# Altium PCB PCB1.PcbDoc (part 9 of 15)
Units mm, origin at the board's own origin, x right, y up, seen from the top; angles counter-clockwise.
Board outline 77.21 x 58.7 mm, 2 copper layers (Top Layer, Bottom Layer); 194 components, 134 nets, 25878 pads, 596 vias.
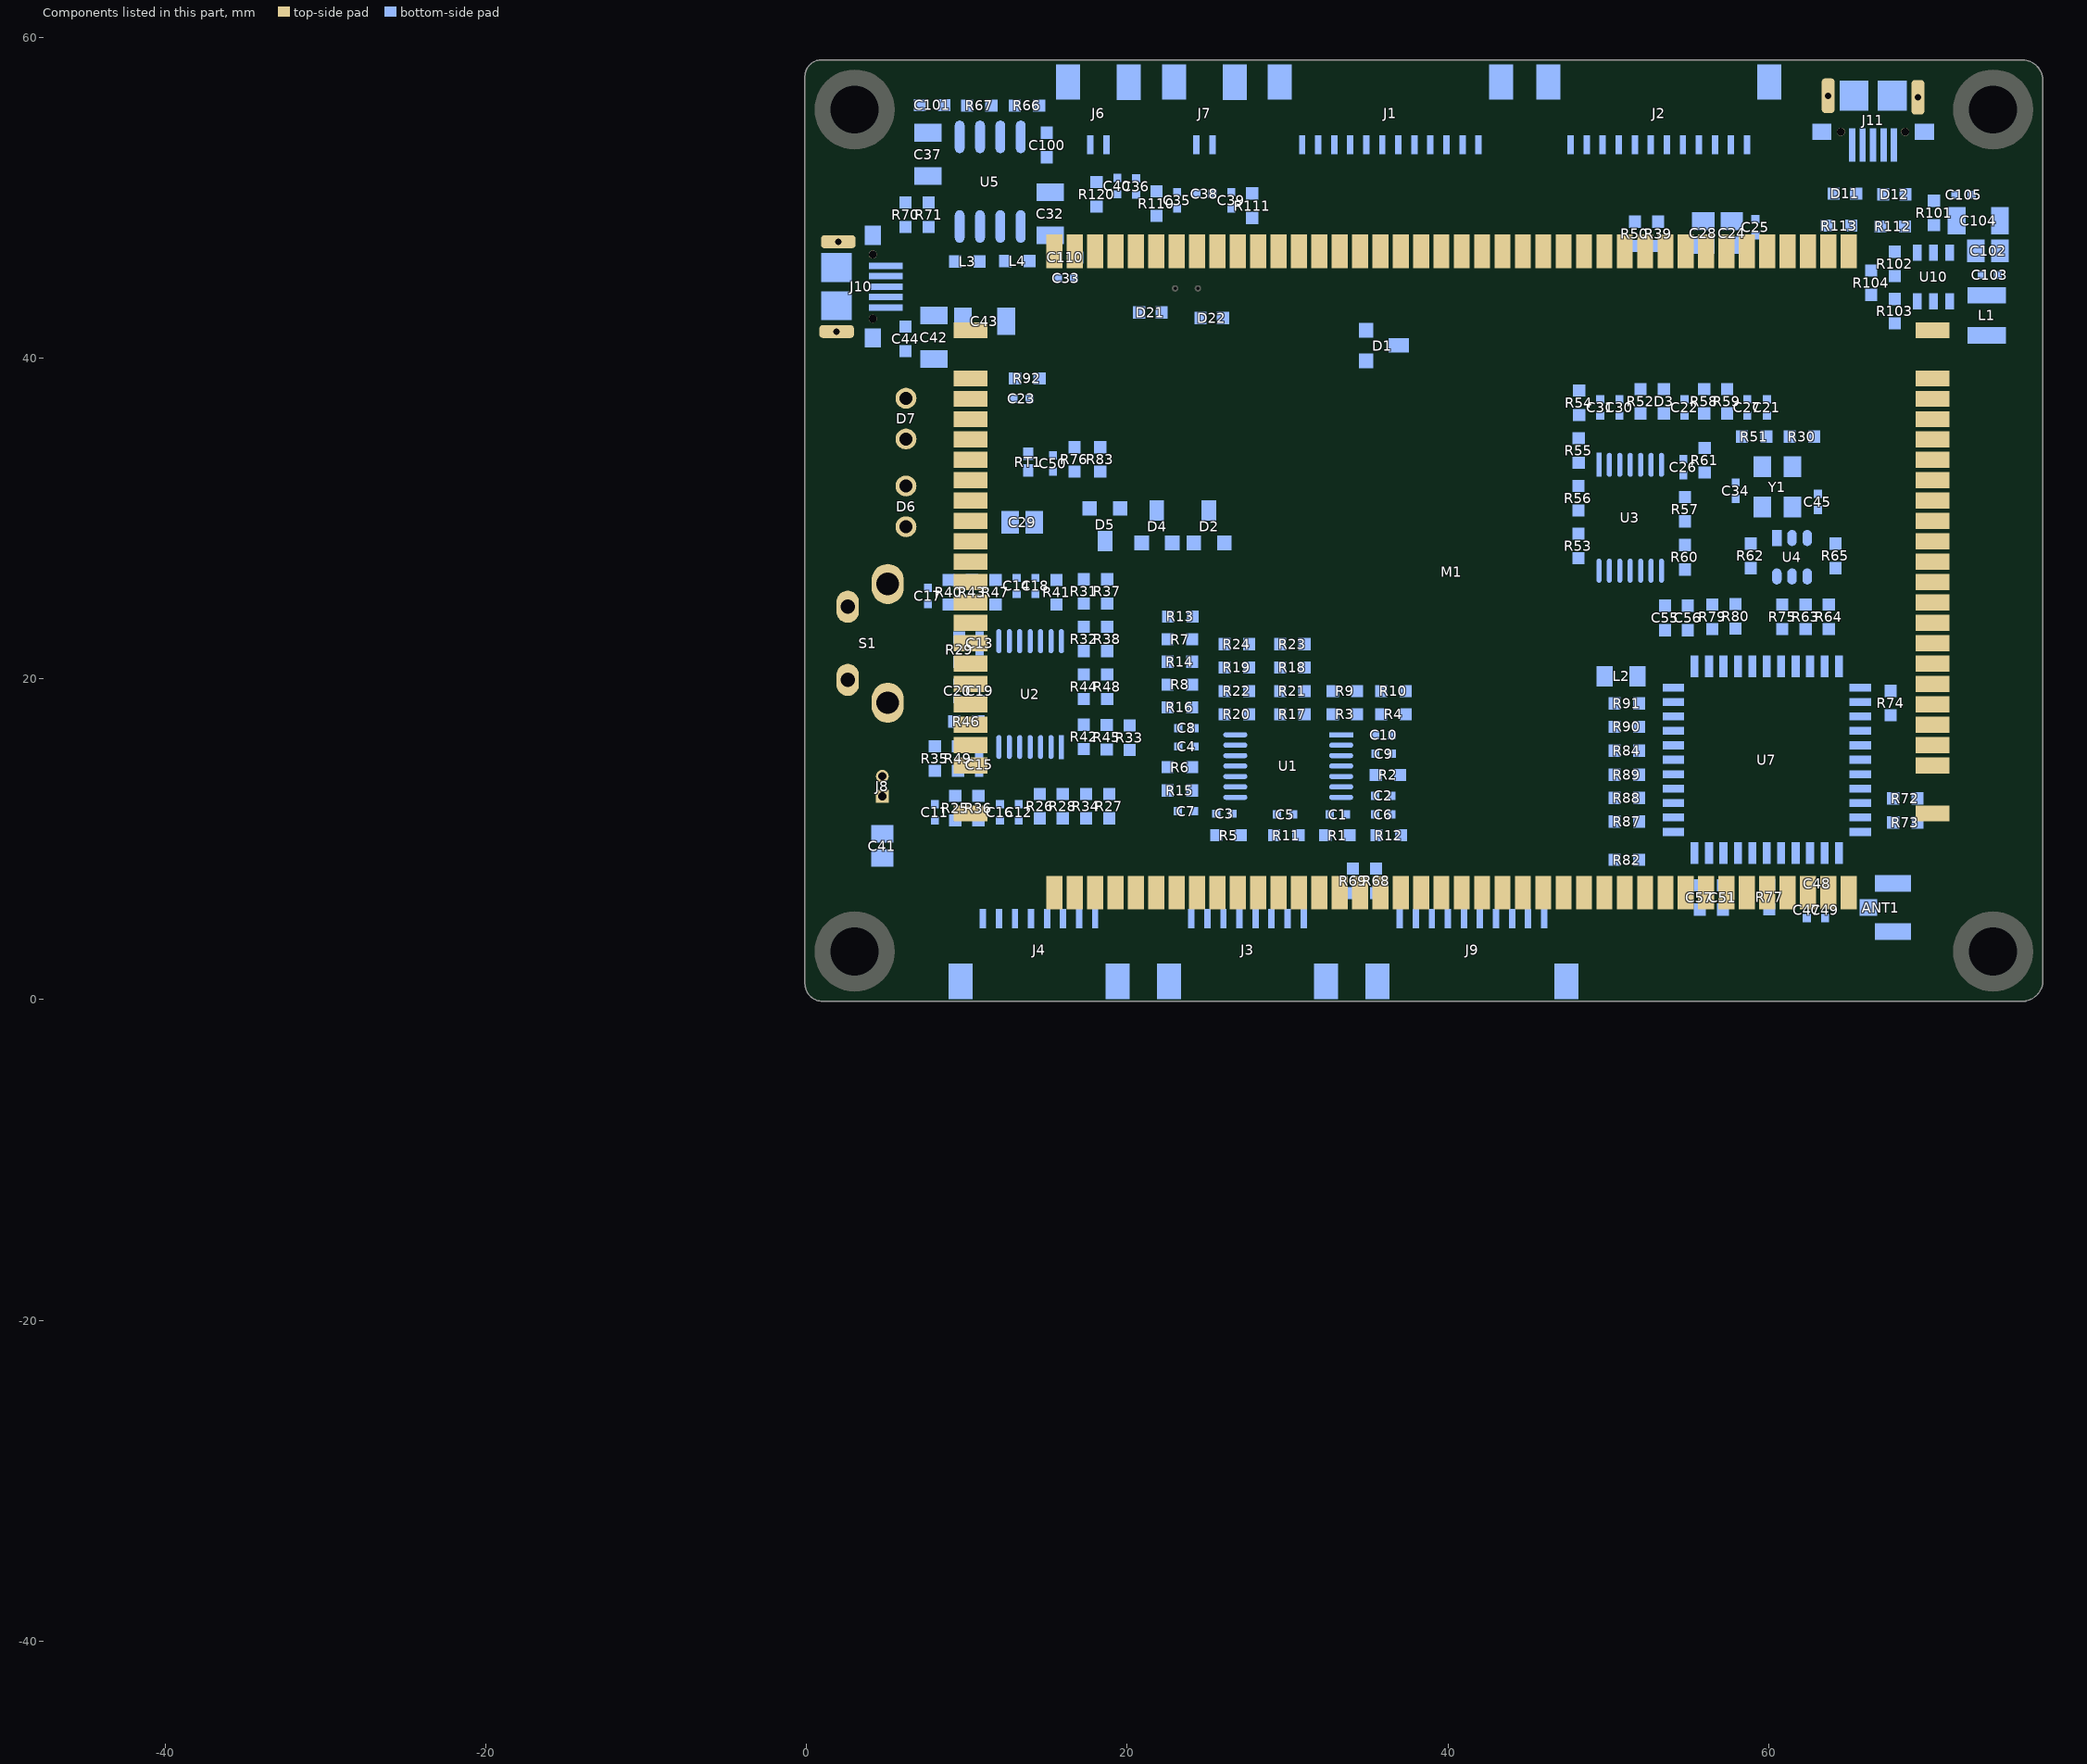
[diagram p9: the components of this part, seen from the top]

## Free pads (board coordinates) (continued)
  round 0 on Mech2: 1(-45.246,-43.99) 1(-45.246,-43.99) 1(-45.246,-43.99) 1(-45.246,-43.995) 1(-45.246,-43.995) 1(-45.246,-43.995) 1(-45.246,-43.995) 1(-45.246,-43.995) 1(-45.246,-43.995) 1(-45.246,-43.99) 1(-45.246,-43.99) 1(-45.246,-43.99) 1(-45.246,-43.99) 1(-45.246,-43.99) 1(-45.246,-43.99) 1(-45.246,-44.015) 1(-45.246,-44.015) 1(-45.246,-44.015) 1(-45.246,-44.015) 1(-45.246,-44.015) 1(-45.246,-44.015) 1(-45.246,-43.988) 1(-45.246,-43.988) 1(-45.246,-43.988) 1(-45.246,-43.991) 1(-45.246,-43.991) 1(-45.246,-43.991) 1(-45.246,-43.991) 1(-45.246,-43.991) 1(-45.246,-43.991) 1(-45.246,-43.988) 1(-45.246,-43.988) 1(-45.246,-43.988) 1(-45.246,-43.988) 1(-45.246,-43.988) 1(-45.246,-43.988) 1(-45.246,-43.971) 1(-45.246,-43.971) 1(-45.246,-43.971) 1(-45.246,-44) 1(-45.246,-44) 1(-45.246,-44) 1(-45.246,-43.986) 1(-45.246,-43.986) 1(-45.246,-43.986) 1(-45.246,-43.986) 1(-45.246,-43.986) 1(-45.246,-43.986) 1(-45.246,-43.986) 1(-45.246,-43.986) 1(-45.246,-43.986) 1(-45.246,-43.986) 1(-45.246,-43.986) 1(-45.246,-43.986) 1(-45.246,-44.024) 1(-45.246,-44.024) 1(-45.246,-44.024) 1(-45.246,-44.024) 1(-45.246,-44.024) 1(-45.246,-44.024) 1(-45.246,-44.014) 1(-45.246,-44.014) 1(-45.246,-44.014) 1(-45.246,-44.014) 1(-45.246,-44.014) 1(-45.246,-44.014) 1(-45.246,-43.968) 1(-45.246,-43.968) 1(-45.246,-43.968) 1(-45.246,-43.968) 1(-45.246,-43.968) 1(-45.246,-43.968) 1(-45.246,-44.005) 1(-45.246,-44.005) 1(-45.246,-44.005) 1(-45.246,-43.998) 1(-45.246,-43.998) 1(-45.246,-43.998) 1(-45.246,-43.998) 1(-45.246,-43.998) 1(-45.246,-43.998) 1(-45.246,-43.997) 1(-45.246,-43.997) 1(-45.246,-43.997) 1(-45.246,-43.997) 1(-45.246,-43.997) 1(-45.246,-43.997) 1(-45.246,-43.996) 1(-45.246,-43.996) 1(-45.246,-43.996) 1(-45.246,-43.994) 1(-45.246,-43.994) 1(-45.246,-43.994) 1(-45.246,-43.993) 1(-45.246,-43.993) 1(-45.246,-43.993) 1(-45.246,-43.991) 1(-45.246,-43.991) 1(-45.246,-43.991) 1(-45.246,-43.991) 1(-45.246,-43.991) 1(-45.246,-43.991) 1(-45.246,-43.991) 1(-45.246,-43.991) 1(-45.246,-43.991) 1(-45.246,-43.99) 1(-45.246,-43.99) 1(-45.246,-43.99) 1(-45.245,-44.014) 1(-45.245,-44.014) 1(-45.245,-44.014) 1(-45.245,-44.014) 1(-45.245,-44.014) 1(-45.245,-44.014) 1(-45.245,-43.988) 1(-45.245,-43.988) 1(-45.245,-43.988) 1(-45.245,-43.987) 1(-45.245,-43.987) 1(-45.245,-43.987) 1(-45.245,-43.991) 1(-45.245,-43.991) 1(-45.245,-43.991) 1(-45.245,-43.991) 1(-45.245,-43.991) 1(-45.245,-43.991) 1(-45.245,-43.991) 1(-45.245,-43.991) 1(-45.245,-43.991) 1(-45.245,-43.991) 1(-45.245,-43.991) 1(-45.245,-43.991) 1(-45.245,-44.007) 1(-45.245,-44.007) 1(-45.245,-44.007) 1(-45.245,-43.985) 1(-45.245,-43.985) 1(-45.245,-43.985) 1(-45.245,-43.985) 1(-45.245,-43.985) 1(-45.245,-43.985) 1(-45.245,-43.988) 1(-45.245,-43.988) 1(-45.245,-43.988) 1(-45.245,-43.992) 1(-45.245,-43.992) 1(-45.245,-43.992) 1(-45.245,-43.997) 1(-45.245,-43.997) 1(-45.245,-43.997) 1(-45.245,-43.997) 1(-45.245,-43.997) 1(-45.245,-43.997) 1(-45.245,-43.996) 1(-45.245,-43.996) 1(-45.245,-43.996) 1(-45.245,-43.996) 1(-45.245,-43.996) 1(-45.245,-43.996) 1(-45.245,-43.996) 1(-45.245,-43.996) 1(-45.245,-43.996) 1(-45.245,-43.987) 1(-45.245,-43.987) 1(-45.245,-43.987) 1(-45.245,-43.987) 1(-45.245,-43.987) 1(-45.245,-43.987) 1(-45.245,-44.004) 1(-45.245,-44.004) 1(-45.245,-44.004) 1(-45.245,-44.017) 1(-45.245,-44.017) 1(-45.245,-44.017) 1(-45.245,-44.017) 1(-45.245,-44.017) 1(-45.245,-44.017) 1(-45.245,-44.017) 1(-45.245,-44.017) 1(-45.245,-44.017) 1(-45.245,-44.017) 1(-45.245,-44.017) 1(-45.245,-44.017) 1(-45.245,-43.977) 1(-45.245,-43.977) 1(-45.245,-43.977) 1(-45.245,-43.977) 1(-45.245,-43.977) 1(-45.245,-43.977) 1(-45.245,-43.972) 1(-45.245,-43.972) 1(-45.245,-43.972) 1(-45.245,-44.002) 1(-45.245,-44.002) 1(-45.245,-44.002) 1(-45.245,-43.985) 1(-45.245,-43.985) 1(-45.245,-43.985) 1(-45.245,-43.985) 1(-45.245,-43.985) 1(-45.245,-43.985) 1(-45.245,-43.985) 1(-45.245,-43.985) 1(-45.245,-43.985) 1(-45.245,-43.985) 1(-45.245,-43.985) 1(-45.245,-43.985) 1(-45.245,-43.994) 1(-45.245,-43.994) 1(-45.245,-43.994) 1(-45.245,-43.994) 1(-45.245,-43.994) 1(-45.245,-43.994) 1(-45.245,-43.986) 1(-45.245,-43.986) 1(-45.245,-43.986) 1(-45.245,-43.986) 1(-45.245,-43.986) 1(-45.245,-43.986) 1(-45.245,-43.994) 1(-45.245,-43.994) 1(-45.245,-43.994) 1(-45.245,-43.994) 1(-45.245,-43.994) 1(-45.245,-43.994) 1(-45.245,-44.015) 1(-45.245,-44.015) 1(-45.245,-44.015) 1(-45.245,-44.015) 1(-45.245,-44.015) 1(-45.245,-44.015) 1(-45.245,-44) 1(-45.245,-44) 1(-45.245,-44) 1(-45.245,-44) 1(-45.245,-44) 1(-45.245,-44) 1(-45.245,-43.999) 1(-45.245,-43.999) 1(-45.245,-43.999) 1(-45.245,-43.999) 1(-45.245,-43.999) 1(-45.245,-43.999) 1(-45.245,-43.99) 1(-45.245,-43.99) 1(-45.245,-43.99) 1(-45.245,-43.985) 1(-45.245,-43.985) 1(-45.245,-43.985) 1(-45.245,-43.985) 1(-45.245,-43.985) 1(-45.245,-43.985) 1(-45.245,-43.97) 1(-45.245,-43.97) 1(-45.245,-43.97) 1(-45.245,-43.97) 1(-45.245,-43.97) 1(-45.245,-43.97) 1(-45.245,-43.985) 1(-45.245,-43.985) 1(-45.245,-43.985) 1(-45.245,-43.985) 1(-45.245,-43.985) 1(-45.245,-43.985) 1(-45.245,-44.016) 1(-45.245,-44.016) 1(-45.245,-44.016) 1(-45.245,-44.016) 1(-45.245,-44.016) 1(-45.245,-44.016) 1(-45.245,-44.016) 1(-45.245,-44.016) 1(-45.245,-44.016) 1(-45.245,-44.016) 1(-45.245,-44.016) 1(-45.245,-44.016) 1(-45.245,-44.001) 1(-45.245,-44.001) 1(-45.245,-44.001) 1(-45.244,-44) 1(-45.244,-44) 1(-45.244,-44) 1(-45.244,-44) 1(-45.244,-44) 1(-45.244,-44) 1(-45.244,-44.012) 1(-45.244,-44.012) 1(-45.244,-44.012) 1(-45.244,-43.991) 1(-45.244,-43.991) 1(-45.244,-43.991) 1(-45.244,-43.991) 1(-45.244,-43.991) 1(-45.244,-43.991) 1(-45.244,-44.015) 1(-45.244,-44.015) 1(-45.244,-44.015) 1(-45.244,-44.015) 1(-45.244,-44.015) 1(-45.244,-44.015) 1(-45.244,-44.003) 1(-45.244,-44.003) 1(-45.244,-44.003) 1(-45.244,-44.014) 1(-45.244,-44.014) 1(-45.244,-44.014) 1(-45.244,-43.985) 1(-45.244,-43.985) 1(-45.244,-43.985) 1(-45.244,-43.985) 1(-45.244,-43.985) 1(-45.244,-43.985) 1(-45.244,-43.985) 1(-45.244,-43.985) 1(-45.244,-43.985) 1(-45.244,-43.985) 1(-45.244,-43.985) 1(-45.244,-43.985) 1(-45.244,-43.998) 1(-45.244,-43.998) 1(-45.244,-43.998) 1(-45.244,-43.992) 1(-45.244,-43.992) 1(-45.244,-43.992) 1(-45.244,-43.986) 1(-45.244,-43.986) 1(-45.244,-43.986) 1(-45.244,-43.986) 1(-45.244,-43.986) 1(-45.244,-43.986) 1(-45.244,-43.977) 1(-45.244,-43.977) 1(-45.244,-43.977) 1(-45.244,-43.989) 1(-45.244,-43.989) 1(-45.244,-43.989) 1(-45.244,-43.989) 1(-45.244,-43.989) 1(-45.244,-43.989) 1(-45.244,-43.989) 1(-45.244,-43.989) 1(-45.244,-43.989) 1(-45.244,-43.988) 1(-45.244,-43.988) 1(-45.244,-43.988) 1(-45.244,-43.985) 1(-45.244,-43.985) 1(-45.244,-43.985) 1(-45.244,-43.985) 1(-45.244,-43.985) 1(-45.244,-43.985) 1(-45.244,-44.016) 1(-45.244,-44.016) 1(-45.244,-44.016) 1(-45.244,-43.995) 1(-45.244,-43.995) 1(-45.244,-43.995) 1(-45.244,-43.995) 1(-45.244,-43.995) 1(-45.244,-43.995) 1(-45.244,-43.993) 1(-45.244,-43.993) 1(-45.244,-43.993) 1(-45.244,-43.972) 1(-45.244,-43.972) 1(-45.244,-43.972) 1(-45.244,-43.971) 1(-45.244,-43.971) 1(-45.244,-43.971) 1(-45.244,-43.971) 1(-45.244,-43.971) 1(-45.244,-43.971) 1(-45.244,-43.985) 1(-45.244,-43.985) 1(-45.244,-43.985) 1(-45.244,-43.985) 1(-45.244,-43.985) 1(-45.244,-43.985) 1(-45.244,-44.005) 1(-45.244,-44.005) 1(-45.244,-44.005) 1(-45.244,-43.986) 1(-45.244,-43.986) 1(-45.244,-43.986) 1(-45.244,-43.986) 1(-45.244,-43.986) 1(-45.244,-43.986) 1(-45.244,-43.993) 1(-45.244,-43.993) 1(-45.244,-43.993) 1(-45.244,-43.993) 1(-45.244,-43.993) 1(-45.244,-43.993) 1(-45.244,-44.017) 1(-45.244,-44.017) 1(-45.244,-44.017) 1(-45.244,-44.017) 1(-45.244,-44.017) 1(-45.244,-44.017) 1(-45.244,-43.989) 1(-45.244,-43.989) 1(-45.244,-43.989) 1(-45.244,-43.989) 1(-45.244,-43.989) 1(-45.244,-43.989) 1(-45.244,-43.984) 1(-45.244,-43.984) 1(-45.244,-43.984) 1(-45.244,-43.984) 1(-45.244,-43.984) 1(-45.244,-43.984) 1(-45.244,-43.984) 1(-45.244,-43.984) 1(-45.244,-43.984) 1(-45.244,-43.984) 1(-45.244,-43.984) 1(-45.244,-43.984) 1(-45.244,-43.998) 1(-45.244,-43.998) 1(-45.244,-43.998) 1(-45.244,-43.993) 1(-45.244,-43.993) 1(-45.244,-43.993) 1(-45.244,-43.993) 1(-45.244,-43.993) 1(-45.244,-43.993) 1(-45.244,-43.992) 1(-45.244,-43.992) 1(-45.244,-43.992) 1(-45.244,-43.992) 1(-45.244,-43.992) 1(-45.244,-43.992) 1(-45.244,-43.992) 1(-45.244,-43.992) 1(-45.244,-43.992) 1(-45.244,-43.991) 1(-45.244,-43.991) 1(-45.244,-43.991) 1(-45.244,-43.99) 1(-45.244,-43.99) 1(-45.244,-43.99) 1(-45.244,-43.99) 1(-45.244,-43.99) 1(-45.244,-43.99) 1(-45.244,-43.983) 1(-45.244,-43.983) 1(-45.244,-43.983) 1(-45.244,-43.983) 1(-45.244,-43.983) 1(-45.244,-43.983) 1(-45.244,-44) 1(-45.244,-44) 1(-45.244,-44) 1(-45.244,-43.996) 1(-45.244,-43.996) 1(-45.244,-43.996) 1(-45.244,-43.996) 1(-45.244,-43.996) 1(-45.244,-43.996) 1(-45.243,-44.024) 1(-45.243,-44.024) 1(-45.243,-44.024) 1(-45.243,-43.994) 1(-45.243,-43.994) 1(-45.243,-43.994) 1(-45.243,-44.01) 1(-45.243,-44.01) 1(-45.243,-44.01) 1(-45.243,-44.01) 1(-45.243,-44.01) 1(-45.243,-44.01) 1(-45.243,-43.983) 1(-45.243,-43.983) 1(-45.243,-43.983) 1(-45.243,-43.983) 1(-45.243,-43.983) 1(-45.243,-43.983) 1(-45.243,-44.004) 1(-45.243,-44.004) 1(-45.243,-44.004) 1(-45.243,-44.004) 1(-45.243,-44.004) 1(-45.243,-44.004) 1(-45.243,-44.003) 1(-45.243,-44.003) 1(-45.243,-44.003) 1(-45.243,-44.003) 1(-45.243,-44.003) 1(-45.243,-44.003) 1(-45.243,-43.987) 1(-45.243,-43.987) 1(-45.243,-43.987) 1(-45.243,-43.987) 1(-45.243,-43.987) 1(-45.243,-43.987) 1(-45.243,-43.978) 1(-45.243,-43.978) 1(-45.243,-43.978) 1(-45.243,-43.978) 1(-45.243,-43.978) 1(-45.243,-43.978) 1(-45.243,-43.977) 1(-45.243,-43.977) 1(-45.243,-43.977) 1(-45.243,-43.977) 1(-45.243,-43.977) 1(-45.243,-43.977) 1(-45.243,-44.009) 1(-45.243,-44.009) 1(-45.243,-44.009) 1(-45.243,-43.983) 1(-45.243,-43.983) 1(-45.243,-43.983) 1(-45.243,-43.983) 1(-45.243,-43.983) 1(-45.243,-43.983) 1(-45.243,-43.968) 1(-45.243,-43.968) 1(-45.243,-43.968) 1(-45.243,-43.968) 1(-45.243,-43.968) 1(-45.243,-43.968) 1(-45.243,-43.982) 1(-45.243,-43.982) 1(-45.243,-43.982) 1(-45.243,-43.982) 1(-45.243,-43.982) 1(-45.243,-43.982) 1(-45.243,-43.977) 1(-45.243,-43.977) 1(-45.243,-43.977) 1(-45.243,-43.977) 1(-45.243,-43.977) 1(-45.243,-43.977) 1(-45.243,-43.975) 1(-45.243,-43.975) 1(-45.243,-43.975) 1(-45.243,-43.975) 1(-45.243,-43.975) 1(-45.243,-43.975) 1(-45.243,-43.975) 1(-45.243,-43.975) 1(-45.243,-43.975) 1(-45.243,-43.975) 1(-45.243,-43.975) 1(-45.243,-43.975) 1(-45.243,-43.972) 1(-45.243,-43.972) 1(-45.243,-43.972) 1(-45.243,-43.989) 1(-45.243,-43.989) 1(-45.243,-43.989) 1(-45.243,-43.989) 1(-45.243,-43.989) 1(-45.243,-43.989) 1(-45.243,-43.989) 1(-45.243,-43.989) 1(-45.243,-43.989) 1(-45.243,-43.988) 1(-45.243,-43.988) 1(-45.243,-43.988) 1(-45.243,-43.988) 1(-45.243,-43.988) 1(-45.243,-43.988) 1(-45.243,-43.998) 1(-45.243,-43.998) 1(-45.243,-43.998) 1(-45.243,-43.998) 1(-45.243,-43.998) 1(-45.243,-43.998) 1(-45.243,-43.997) 1(-45.243,-43.997) 1(-45.243,-43.997) 1(-45.243,-43.997) 1(-45.243,-43.997) 1(-45.243,-43.997) 1(-45.243,-43.997) 1(-45.243,-43.997) 1(-45.243,-43.997) 1(-45.243,-43.997) 1(-45.243,-43.997) 1(-45.243,-43.997) 1(-45.243,-43.995) 1(-45.243,-43.995) 1(-45.243,-43.995) 1(-45.243,-43.995) 1(-45.243,-43.995) 1(-45.243,-43.995) 1(-45.243,-43.992) 1(-45.243,-43.992) 1(-45.243,-43.992) 1(-45.243,-43.992) 1(-45.243,-43.992) 1(-45.243,-43.992) 1(-45.243,-43.992) 1(-45.243,-43.992) 1(-45.243,-43.992) 1(-45.243,-43.991) 1(-45.243,-43.991) 1(-45.243,-43.991) 1(-45.243,-43.989) 1(-45.243,-43.989) 1(-45.243,-43.989) 1(-45.243,-43.982) 1(-45.243,-43.982) 1(-45.243,-43.982) 1(-45.243,-43.982) 1(-45.243,-43.982) 1(-45.243,-43.982) 1(-45.243,-43.978) 1(-45.243,-43.978) 1(-45.243,-43.978) 1(-45.243,-43.978) 1(-45.243,-43.978) 1(-45.243,-43.978) 1(-45.243,-43.977) 1(-45.243,-43.977) 1(-45.243,-43.977) 1(-45.243,-43.977) 1(-45.243,-43.977) 1(-45.243,-43.977) 1(-45.243,-43.981) 1(-45.243,-43.981) 1(-45.243,-43.981) 1(-45.243,-43.981) 1(-45.243,-43.981) 1(-45.243,-43.981) 1(-45.243,-44.016) 1(-45.243,-44.016) 1(-45.243,-44.016) 1(-45.243,-43.984) 1(-45.243,-43.984) 1(-45.243,-43.984) 1(-45.243,-43.984) 1(-45.243,-43.984) 1(-45.243,-43.984) 1(-45.243,-43.986) 1(-45.243,-43.986) 1(-45.243,-43.986) 1(-45.243,-43.986) 1(-45.243,-43.986) 1(-45.243,-43.986) 1(-45.243,-43.981) 1(-45.243,-43.981) 1(-45.243,-43.981) 1(-45.243,-43.981) 1(-45.243,-43.981) 1(-45.243,-43.981) 1(-45.243,-44.009) 1(-45.243,-44.009) 1(-45.243,-44.009) 1(-45.243,-44.009) 1(-45.243,-44.009) 1(-45.243,-44.009) 1(-45.243,-44.013) 1(-45.243,-44.013) 1(-45.243,-44.013) 1(-45.243,-44.013) 1(-45.243,-44.013) 1(-45.243,-44.013) 1(-45.243,-44.006) 1(-45.243,-44.006) 1(-45.243,-44.006) 1(-45.243,-44.006) 1(-45.243,-44.006) 1(-45.243,-44.006) 1(-45.242,-44.01) 1(-45.242,-44.01) 1(-45.242,-44.01) 1(-45.242,-44.01) 1(-45.242,-44.01) 1(-45.242,-44.01) 1(-45.242,-43.98) 1(-45.242,-43.98) 1(-45.242,-43.98) 1(-45.242,-43.98) 1(-45.242,-43.98) 1(-45.242,-43.98) 1(-45.242,-44.024) 1(-45.242,-44.024) 1(-45.242,-44.024) 1(-45.242,-44.024) 1(-45.242,-44.024) 1(-45.242,-44.024) 1(-45.242,-43.987) 1(-45.242,-43.987) 1(-45.242,-43.987) 1(-45.242,-43.987) 1(-45.242,-43.987) 1(-45.242,-43.987) 1(-45.242,-43.998) 1(-45.242,-43.998) 1(-45.242,-43.998) 1(-45.242,-43.992) 1(-45.242,-43.992) 1(-45.242,-43.992) 1(-45.242,-43.992) 1(-45.242,-43.992) 1(-45.242,-43.992) 1(-45.242,-43.991) 1(-45.242,-43.991) 1(-45.242,-43.991) 1(-45.242,-43.99) 1(-45.242,-43.99) 1(-45.242,-43.99) 1(-45.242,-43.99) 1(-45.242,-43.99) 1(-45.242,-43.99) 1(-45.242,-43.99) 1(-45.242,-43.99) 1(-45.242,-43.99) 1(-45.242,-43.989) 1(-45.242,-43.989) 1(-45.242,-43.989) 1(-45.242,-43.989) 1(-45.242,-43.989) 1(-45.242,-43.989) 1(-45.242,-43.98) 1(-45.242,-43.98) 1(-45.242,-43.98) 1(-45.242,-43.98) 1(-45.242,-43.98) 1(-45.242,-43.98) 1(-45.242,-44.024) 1(-45.242,-44.024) 1(-45.242,-44.024) 1(-45.242,-44.024) 1(-45.242,-44.024) 1(-45.242,-44.024) 1(-45.242,-43.98) 1(-45.242,-43.98) 1(-45.242,-43.98) 1(-45.242,-43.98) 1(-45.242,-43.98) 1(-45.242,-43.98) 1(-45.242,-43.988) 1(-45.242,-43.988) 1(-45.242,-43.988) 1(-45.242,-43.994) 1(-45.242,-43.994) 1(-45.242,-43.994) 1(-45.242,-43.976) 1(-45.242,-43.976) 1(-45.242,-43.976) 1(-45.242,-43.976) 1(-45.242,-43.976) 1(-45.242,-43.976) 1(-45.242,-43.972) 1(-45.242,-43.972) 1(-45.242,-43.972) 1(-45.242,-44.023) 1(-45.242,-44.023) 1(-45.242,-44.023) 1(-45.242,-44.023) 1(-45.242,-44.023) 1(-45.242,-44.023) 1(-45.242,-44.017) 1(-45.242,-44.017) 1(-45.242,-44.017) 1(-45.242,-44.017) 1(-45.242,-44.017) 1(-45.242,-44.017) 1(-45.242,-44.015) 1(-45.242,-44.015) 1(-45.242,-44.015) 1(-45.242,-44.015) 1(-45.242,-44.015) 1(-45.242,-44.015) 1(-45.242,-44.003) 1(-45.242,-44.003) 1(-45.242,-44.003) 1(-45.242,-43.993) 1(-45.242,-43.993) 1(-45.242,-43.993) 1(-45.242,-43.976) 1(-45.242,-43.976) 1(-45.242,-43.976) 1(-45.242,-43.976) 1(-45.242,-43.976) 1(-45.242,-43.976) 1(-45.242,-43.979) 1(-45.242,-43.979) 1(-45.242,-43.979) 1(-45.242,-43.979) 1(-45.242,-43.979) 1(-45.242,-43.979) 1(-45.242,-44.012) 1(-45.242,-44.012) 1(-45.242,-44.012) 1(-45.242,-44.012) 1(-45.242,-44.012) 1(-45.242,-44.012) 1(-45.242,-44.005) 1(-45.242,-44.005) 1(-45.242,-44.005) 1(-45.242,-44.005) 1(-45.242,-44.005) 1(-45.242,-44.005) 1(-45.242,-44.005) 1(-45.242,-44.005) 1(-45.242,-44.005) 1(-45.242,-44.023) 1(-45.242,-44.023) 1(-45.242,-44.023) 1(-45.242,-44.023) 1(-45.242,-44.023) 1(-45.242,-44.023) 1(-45.242,-44.006) 1(-45.242,-44.006) 1(-45.242,-44.006) 1(-45.242,-44.006) 1(-45.242,-44.006) 1(-45.242,-44.006) 1(-45.242,-43.985) 1(-45.242,-43.985) 1(-45.242,-43.985) 1(-45.242,-43.985) 1(-45.242,-43.985) 1(-45.242,-43.985) 1(-45.242,-44.017) 1(-45.242,-44.017) 1(-45.242,-44.017) 1(-45.242,-44.017) 1(-45.242,-44.017) 1(-45.242,-44.017) 1(-45.242,-44.016) 1(-45.242,-44.016) 1(-45.242,-44.016) 1(-45.242,-44.016) 1(-45.242,-44.016) 1(-45.242,-44.016) 1(-45.242,-44.012) 1(-45.242,-44.012) 1(-45.242,-44.012) 1(-45.242,-44.012) 1(-45.242,-44.012) 1(-45.242,-44.012) 1(-45.242,-44.011) 1(-45.242,-44.011) 1(-45.242,-44.011) 1(-45.242,-44.011) 1(-45.242,-44.011) 1(-45.242,-44.011) 1(-45.242,-44.009) 1(-45.242,-44.009) 1(-45.242,-44.009) 1(-45.242,-44.008) 1(-45.242,-44.008) 1(-45.242,-44.008) 1(-45.242,-44.008) 1(-45.242,-44.008) 1(-45.242,-44.008) 1(-45.242,-44.006) 1(-45.242,-44.006) 1(-45.242,-44.006) 1(-45.242,-44.006) 1(-45.242,-44.006) 1(-45.242,-44.006) 1(-45.242,-44.011) 1(-45.242,-44.011) 1(-45.242,-44.011) 1(-45.242,-44.011) 1(-45.242,-44.011) 1(-45.242,-44.011) 1(-45.242,-44.022) 1(-45.242,-44.022) 1(-45.242,-44.022) 1(-45.242,-44.022) 1(-45.242,-44.022) 1(-45.242,-44.022) 1(-45.242,-44.014) 1(-45.242,-44.014) 1(-45.242,-44.014) 1(-45.242,-44.014) 1(-45.242,-44.014) 1(-45.242,-44.014) 1(-45.242,-44.014) 1(-45.242,-44.014) 1(-45.242,-44.014) 1(-45.242,-44.014) 1(-45.242,-44.014) 1(-45.242,-44.014) 1(-45.242,-43.996) 1(-45.242,-43.996) 1(-45.242,-43.996) 1(-45.242,-43.996) 1(-45.242,-43.996) 1(-45.242,-43.996) 1(-45.242,-43.998) 1(-45.242,-43.998) 1(-45.242,-43.998) 1(-45.242,-43.992) 1(-45.242,-43.992) 1(-45.242,-43.992) 1(-45.242,-43.992) 1(-45.242,-43.992) 1(-45.242,-43.992) 1(-45.242,-43.991) 1(-45.242,-43.991) 1(-45.242,-43.991) 1(-45.242,-43.99) 1(-45.242,-43.99) 1(-45.242,-43.99) 1(-45.242,-43.99) 1(-45.242,-43.99) 1(-45.242,-43.99) 1(-45.242,-43.988) 1(-45.242,-43.988) 1(-45.242,-43.988) 1(-45.242,-43.987) 1(-45.242,-43.987) 1(-45.242,-43.987) 1(-45.242,-43.987) 1(-45.242,-43.987) 1(-45.242,-43.987) 1(-45.242,-44.021) 1(-45.242,-44.021) 1(-45.242,-44.021) 1(-45.242,-44.021) 1(-45.242,-44.021) 1(-45.242,-44.021) 1(-45.242,-43.975) 1(-45.242,-43.975) 1(-45.242,-43.975) 1(-45.242,-43.975) 1(-45.242,-43.975) 1(-45.242,-43.975) 1(-45.242,-43.97) 1(-45.242,-43.97) 1(-45.242,-43.97) 1(-45.242,-43.97) 1(-45.242,-43.97) 1(-45.242,-43.97) 1(-45.241,-44.022) 1(-45.241,-44.022) 1(-45.241,-44.022) 1(-45.241,-44.022) 1(-45.241,-44.022) 1(-45.241,-44.022) 1(-45.241,-43.985) 1(-45.241,-43.985) 1(-45.241,-43.985) 1(-45.241,-43.985) 1(-45.241,-43.985) 1(-45.241,-43.985) 1(-45.241,-43.997) 1(-45.241,-43.997) 1(-45.241,-43.997) 1(-45.241,-44.021) 1(-45.241,-44.021) 1(-45.241,-44.021) 1(-45.241,-44.021) 1(-45.241,-44.021) 1(-45.241,-44.021) 1(-45.241,-44.008) 1(-45.241,-44.008) 1(-45.241,-44.008) 1(-45.241,-44.008) 1(-45.241,-44.008) 1(-45.241,-44.008) 1(-45.241,-44.015) 1(-45.241,-44.015) 1(-45.241,-44.015) 1(-45.241,-44.015) 1(-45.241,-44.015) 1(-45.241,-44.015) 1(-45.241,-43.977) 1(-45.241,-43.977) 1(-45.241,-43.977) 1(-45.241,-43.977) 1(-45.241,-43.977) 1(-45.241,-43.977) 1(-45.241,-43.975) 1(-45.241,-43.975) 1(-45.241,-43.975) 1(-45.241,-43.975) 1(-45.241,-43.975) 1(-45.241,-43.975) 1(-45.241,-44.02) 1(-45.241,-44.02) 1(-45.241,-44.02) 1(-45.241,-44.02) 1(-45.241,-44.02) 1(-45.241,-44.02) 1(-45.241,-43.984) 1(-45.241,-43.984) 1(-45.241,-43.984) 1(-45.241,-43.984) 1(-45.241,-43.984) 1(-45.241,-43.984) 1(-45.241,-44.006) 1(-45.241,-44.006) 1(-45.241,-44.006) 1(-45.241,-44.006) 1(-45.241,-44.006) 1(-45.241,-44.006) 1(-45.241,-44.009) 1(-45.241,-44.009) 1(-45.241,-44.009) 1(-45.241,-44.009) 1(-45.241,-44.009) 1(-45.241,-44.009) 1(-45.241,-44.001) 1(-45.241,-44.001) 1(-45.241,-44.001) 1(-45.241,-43.977) 1(-45.241,-43.977) 1(-45.241,-43.977) 1(-45.241,-43.977) 1(-45.241,-43.977) 1(-45.241,-43.977) 1(-45.241,-44) 1(-45.241,-44) 1(-45.241,-44) 1(-45.241,-43.972) 1(-45.241,-43.972) 1(-45.241,-43.972) 1(-45.241,-43.97) 1(-45.241,-43.97) 1(-45.241,-43.97) 1(-45.241,-43.97) 1(-45.241,-43.97) 1(-45.241,-43.97) 1(-45.241,-43.998) 1(-45.241,-43.998) 1(-45.241,-43.998) 1(-45.241,-43.995) 1(-45.241,-43.995) 1(-45.241,-43.995) 1(-45.241,-43.995) 1(-45.241,-43.995) 1(-45.241,-43.995) 1(-45.241,-43.992) 1(-45.241,-43.992) 1(-45.241,-43.992) 1(-45.241,-43.992) 1(-45.241,-43.992) 1(-45.241,-43.992) 1(-45.241,-43.992) 1(-45.241,-43.992) 1(-45.241,-43.992) 1(-45.241,-43.991) 1(-45.241,-43.991) 1(-45.241,-43.991) 1(-45.241,-43.99) 1(-45.241,-43.99) 1(-45.241,-43.99) 1(-45.241,-43.99) 1(-45.241,-43.99) 1(-45.241,-43.99) 1(-45.241,-43.996) 1(-45.241,-43.996) 1(-45.241,-43.996) 1(-45.241,-43.996) 1(-45.241,-43.996) 1(-45.241,-43.996) 1(-45.241,-44.012) 1(-45.241,-44.012) 1(-45.241,-44.012) 1(-45.241,-44.012) 1(-45.241,-44.012) 1(-45.241,-44.012) 